# KiCad board JL_checkpoint.kicad_pcb
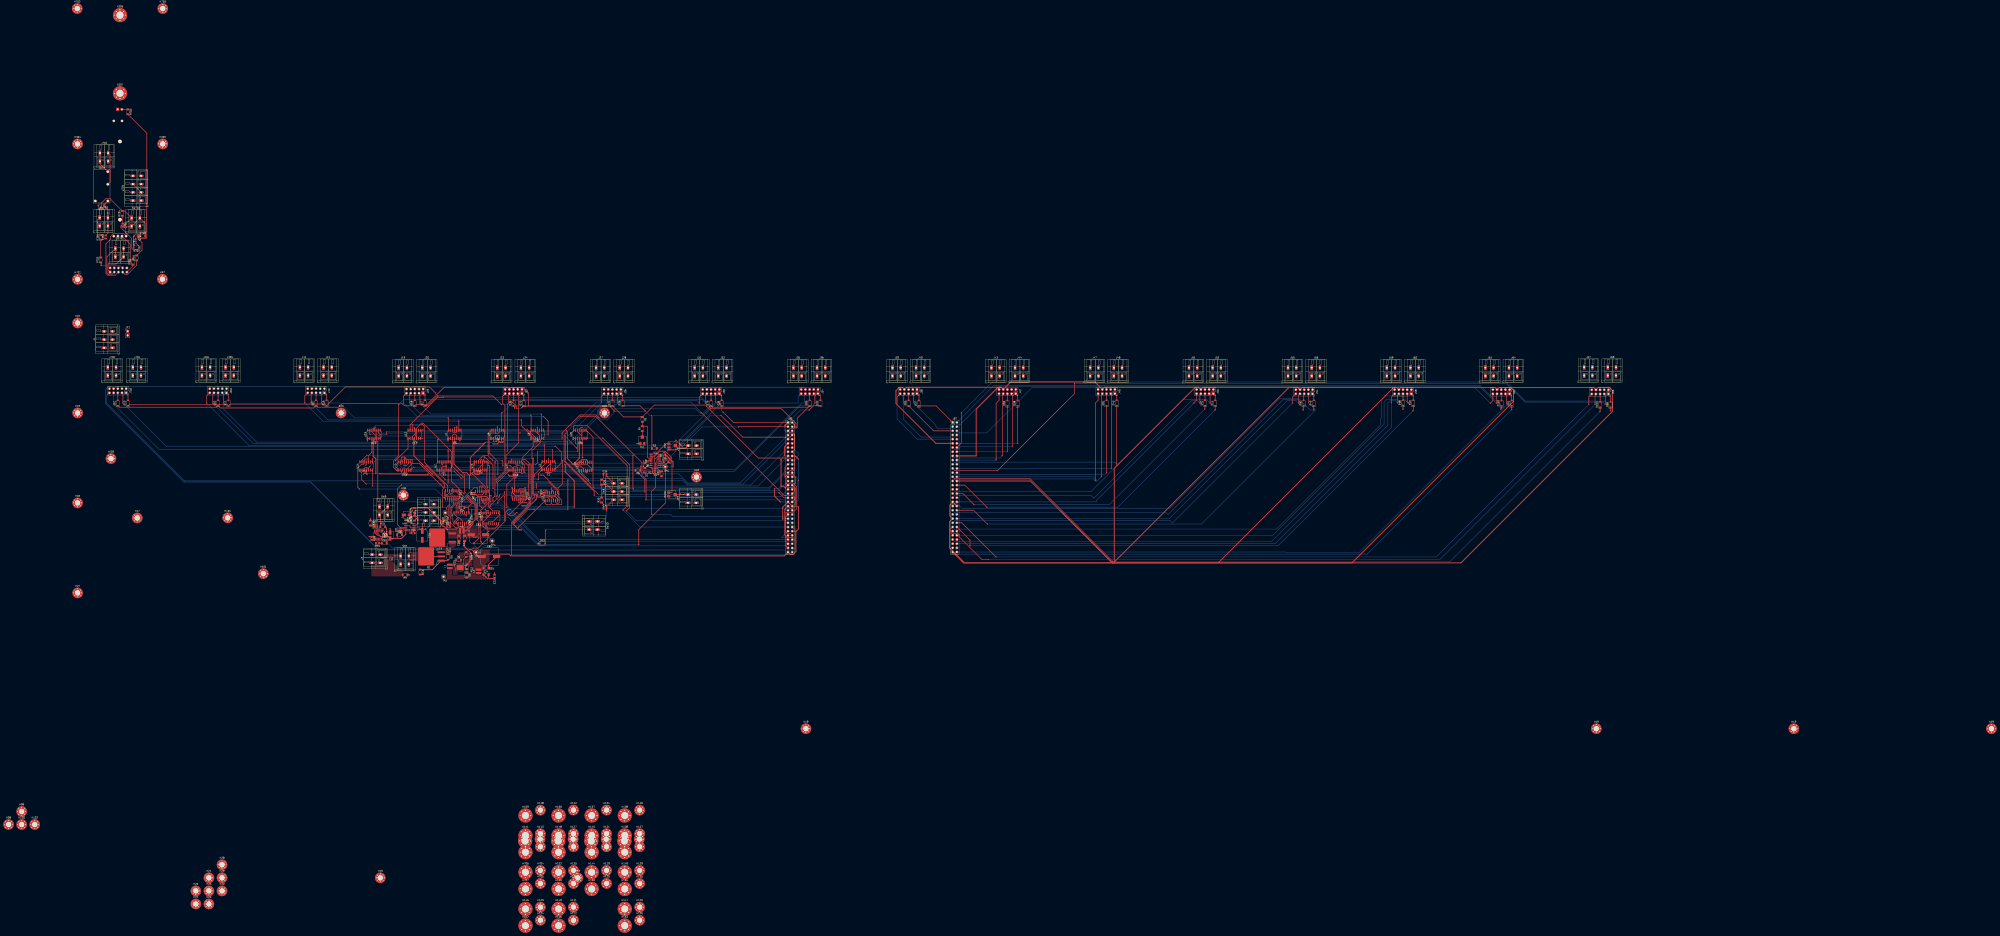
[diagram p0: board, top side]
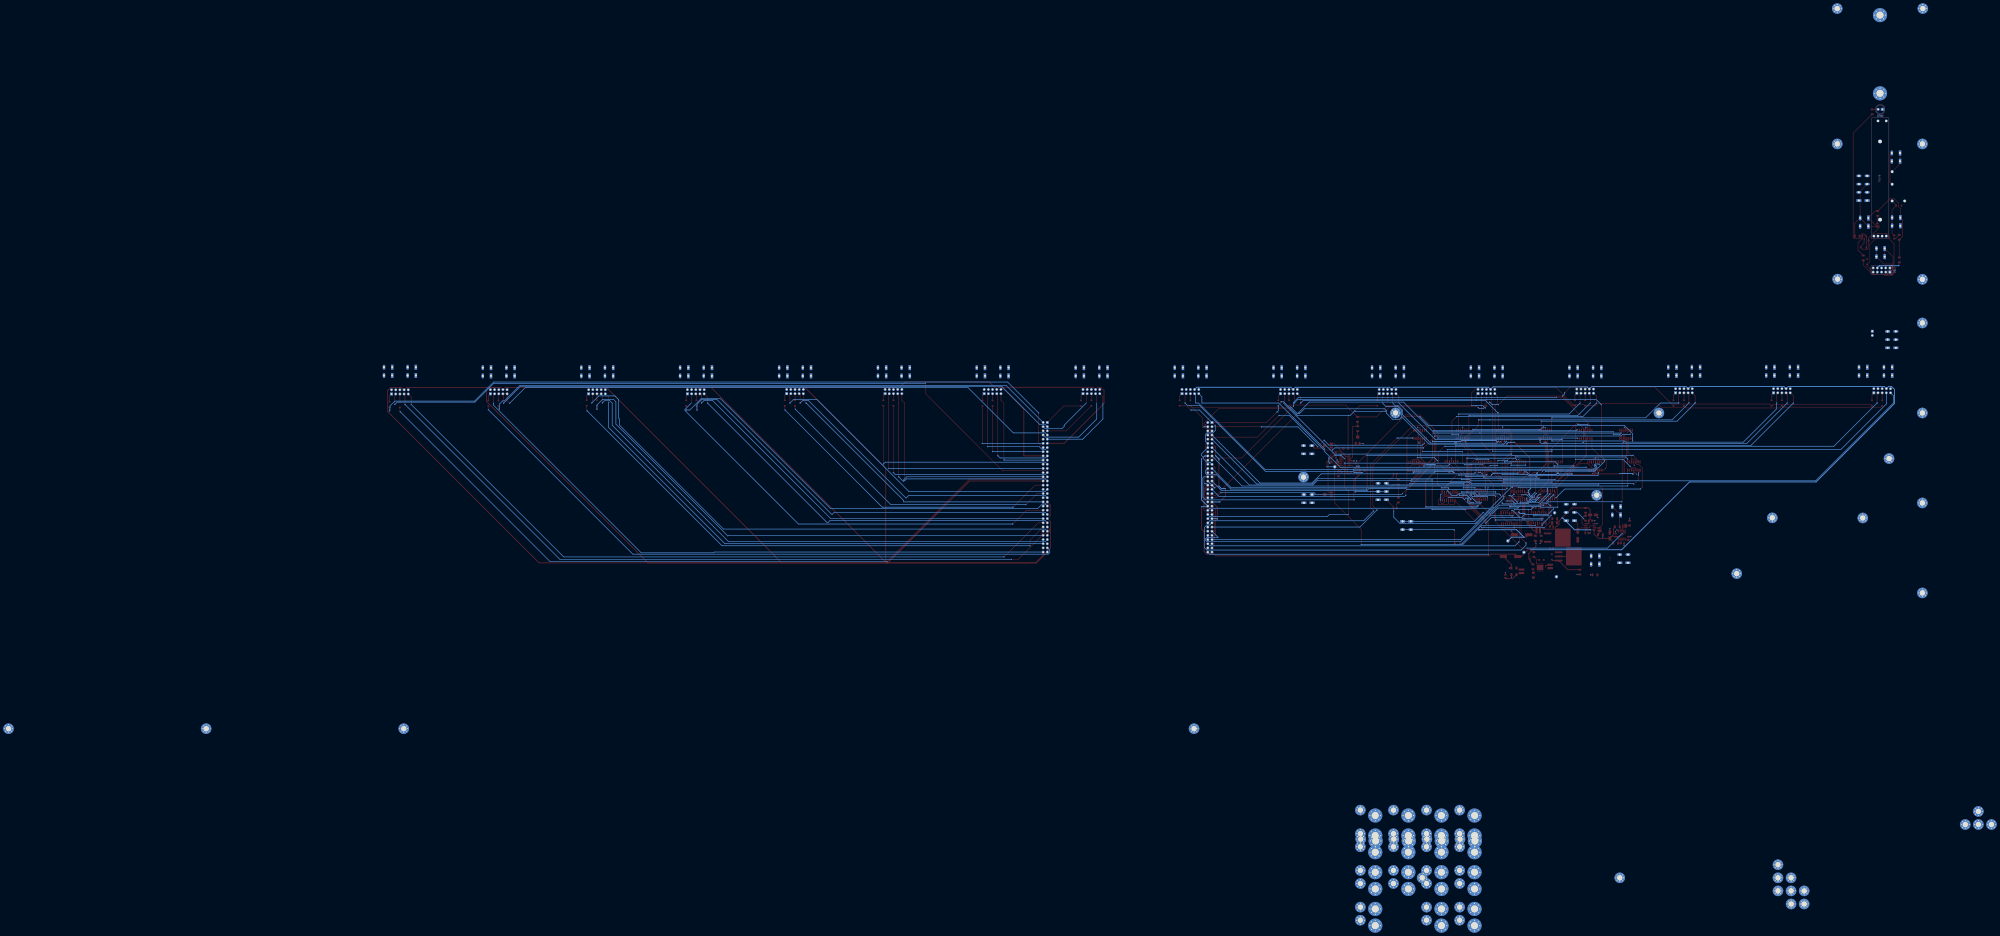
[diagram p1: board, bottom side, seen from below]

No outline. copper layers: Top, In1.Cu (plane), In2.Cu (plane), Bottom. Coordinates in mm from the lowest, leftmost part position.
Stack: Top 0.035mm / dielectric 0.2104mm FR4 er 4.5 / In1.Cu 0.0152mm / dielectric 1.065mm FR4 er 4.5 / In2.Cu 0.0152mm / dielectric 0.2104mm FR4 er 4.5 / Bottom 0.035mm

## Placement (name value [footprint] x y rotation side)
C1  0.1uF  [C_0402_1005Metric]  328 275.23 180 top
C2  0.1uF  [C_0402_1005Metric]  388.43 282.23 90 top
C3  0.1uF  [C_0402_1005Metric]  345.38 280.48 270 top
C4  0.1uF  [C_0402_1005Metric]  271.17 294.23 180 top
C5  0.1uF  [C_0402_1005Metric]  315 260.02 90 top
C6  0.1uF  [C_0402_1005Metric]  320.89 294.02 0 top
C7  0.1uF  [C_0402_1005Metric]  264.67 275 180 top
C8  0.1uF  [C_0402_1005Metric]  282.38 262.51 270 top
C9  0.1uF  [C_0402_1005Metric]  296.96 294.25 0 top
C10  0.1uF  [C_0402_1005Metric]  240.67 274.98 180 top
C11  0.1uF  [C_0402_1005Metric]  274.23 260.57 90 top
C12  0.1uF  [C_0402_1005Metric]  246.65 294.23 180 top
C13  0.1uF  [C_0402_1005Metric]  324.63 262.48 270 top
C14  0.1uF  [C_0402_1005Metric]  216.44 275 0 top
C15  0.1uF  [C_0402_1005Metric]  221.9 294.27 180 top
C16  15uF - 50V  [C_0402_1005Metric]  280.19 223.42 270 top
C17  0.1uF  [C_0402_1005Metric]  285.77 274.98 0 top
C18  0.1uF  [C_0402_1005Metric]  308.08 275.02 180 top
C19  0.33uF  [C_0805_2012Metric]  267.26 229 180 top
C20  0.1uF  [C_0402_1005Metric]  347.11 294.23 180 top
C21  10nF  [C_0402_1005Metric]  270.76 218.42 90 top
C22  0.1uF  [C_0805_2012Metric]  267.21 242.5 180 top
C23  68uF-16V  [C_0805_2012Metric]  295.19 212.25 90 top
C24  0.1uF  [C_1206_3216Metric_Pad1.33x1.80mm_HandSolder]  290 213.25 0 top
C25  0.1uF  [C_1206_3216Metric_Pad1.33x1.80mm_HandSolder]  290 217.25 0 top
C26  0.1uF  [C_1206_3216Metric_Pad1.33x1.80mm_HandSolder]  273.51 235.31 270 top
C27  0.1uF  [C_1206_3216Metric_Pad1.33x1.80mm_HandSolder]  277.01 235.31 270 top
C34  C  [C_0805_2012Metric]  245.76 238.54 0 top
C35  C_Polarized  [CP_Elec_6.3x7.7]  251.26 237.09 270 top
C36  C  [C_0805_2012Metric]  362.21 274.35 0 top
C37  C  [C_0805_2012Metric]  362.21 253.55 0 top
C38  C  [C_0805_2012Metric]  220.51 235.3 270 top
C39  C  [C_0805_2012Metric]  224.06 232.35 180 top
C82  0.1uF  [C_0805_2012Metric]  243.56 246.04 0 top
C83  C_Polarized  [CP_Elec_10x12.6]  285.36 237.5 0 top
C84  C_Polarized-1uF  [CP_Elec_4x4.5]  241.96 249.54 180 top
C85  C_Polarized  [CP_Elec_10x12.6]  292.06 224.25 0 top
C86  C_Polarized-1uF  [CP_Elec_4x4.5]  231.76 237.05 90 top
C87  0.1uF  [C_0805_2012Metric]  228.26 237.3 270 top
C88  0.1uF  [C_0402_1005Metric]  281.19 245 90 top
C89  0.1uF  [C_0402_1005Metric]  287.19 249.75 90 top
C701  C  [C_0402_1005Metric]  77.35 415.15 90 top
C702  C  [C_0805_2012Metric]  69.35 425.55 270 top
C703  C  [C_0805_2012Metric]  59 418.38 90 top
D1  D  [D_SOD-123]  387.46 275.5 180 top
D2  D  [D_SOD-123]  398.21 285.75 90 top
D3  D  [D_SOD-123]  392.76 275.66 180 top
D4  ESD5Zxx  [D_SOD-523]  231.76 222.74 270 top
D5  D_Zener-10V  [D_SOD-123]  267.01 224 270 top
D6  D_Schottky B230A  [D_SOD-123F]  273.34 222.19 0 top
D7  LED  [LED_1206_3216Metric_Pad1.42x1.75mm_HandSolder]  265.31 244.82 0 top
D8  LED  [LED_1206_3216Metric_Pad1.42x1.75mm_HandSolder]  278.19 213 270 top
D10  D  [D_SOD-123]  72.55 317.5 90 top
D11  D  [D_SOD-123]  133.55 317.5 90 top
D16  D  [D_SOD-123]  193.15 317.5 90 top
D17  D  [D_SOD-123]  252.95 317.5 90 top
D21  LED  [LED_Luminus_MP-3030-1100_3.0x3.0mm]  238.01 240.46 90 top
D22  LED  [LED_Luminus_MP-3030-1100_3.0x3.0mm]  222.76 242.85 0 top
D23  D  [D_SOD-123]  324.3 232.15 0 top
D25  D  [D_SOD-123]  312.95 317.5 90 top
D26  D  [D_SOD-123]  372.95 317.5 90 top
D31  D  [D_SOD-123]  433.15 317.5 90 top
D32  D  [D_SOD-123]  493.05 317.5 90 top
D37  D  [D_SOD-123]  552.95 317.4 90 top
D38  D  [D_SOD-123]  612.85 317.4 90 top
D43  D  [D_SOD-123]  673.05 317.5 90 top
D44  D  [D_SOD-123]  732.85 317.5 90 top
D49  D  [D_SOD-123]  792.75 317.5 90 top
D50  D  [D_SOD-123]  853.15 317.6 90 top
D55  D  [D_SOD-123]  912.95 317.4 90 top
D56  D  [D_SOD-123]  972.95 316.6 90 top
D61  D  [D_SOD-123]  66.35 317.5 90 top
D62  D  [D_SOD-123]  127.25 317.5 90 top
D67  D  [D_SOD-123]  186.75 317.5 90 top
D68  D  [D_SOD-123]  246.75 317.5 90 top
D73  D  [D_SOD-123]  306.75 317.5 90 top
D74  D  [D_SOD-123]  366.75 317.5 90 top
D79  D  [D_SOD-123]  426.65 317.5 90 top
D80  D  [D_SOD-123]  486.55 317.5 90 top
D85  D  [D_SOD-123]  546.65 317.5 90 top
D86  D  [D_SOD-123]  606.65 317.4 90 top
D91  D  [D_SOD-123]  666.85 317.5 90 top
D92  D  [D_SOD-123]  726.65 317.5 90 top
D97  D  [D_SOD-123]  786.55 317.5 90 top
D98  D  [D_SOD-123]  846.95 317.6 90 top
D103  D  [D_SOD-123]  906.75 317.4 90 top
D104  D  [D_SOD-123]  966.65 316.6 90 top
D701  D  [D_SOD-123]  75.5 403.4 90 top
D702  LED  [LED_D5.0mm]  66.27 495.95 0 bottom
D703  D  [D_SOD-123]  77.65 411.95 180 top
D704  D  [D_SOD-123]  56.25 437.43 180 top
H17  MountingHole  [MountingHole_3.2mm_M3_Pad_Via]  78.14 247.67 0 top
H18  MountingHole  [MountingHole_3.2mm_M3_Pad_Via]  239.75 261.51 0 top
H18#2  MountingHole  [MountingHole_3.2mm_M3_Pad_Via]  41.95 256.81 0 top
H18#3  MountingHole  [MountingHole_3.2mm_M3_Pad_Via]  417.81 272.53 0 top
H19  MountingHole  [MountingHole_3.2mm_M3_Pad_Via]  964.3 119.65 0 top
H19#2  MountingHole  [MountingHole_3.2mm_M3_Pad_Via]  345.75 29.05 0 top
H19#3  MountingHole  [MountingHole_3.2mm_M3_Pad_Via]  1084.3 119.65 0 top
H19#4  MountingHole  [MountingHole_3.2mm_M3_Pad_Via]  1204.3 119.65 0 top
H19#5  MountingHole  [MountingHole_3.2mm_M3_Pad_Via]  484.3 119.65 0 top
H19#6  MountingHole  [MountingHole_3.2mm_M3_Pad_Via]  225.75 29.05 0 top
H20  MountingHole  [MountingHole_3.2mm_M3_Pad_Via]  113.75 21.1 0 top
H21  MountingHole  [MountingHole_3.2mm_M3_Pad_Via]  113.75 13.15 0 top
H22  MountingHole  [MountingHole_3.2mm_M3_Pad_Via]  41.95 366.15 0 top
H23  MountingHole  [MountingHole_3.2mm_M3_Pad_Via]  41.95 311.48 0 top
H23#2  MountingHole  [MountingHole_3.2mm_M3_Pad_Via]  201.95 311.48 0 top
H23#3  MountingHole  [MountingHole_3.2mm_M3_Pad_Via]  361.95 311.48 0 top
H24  MountingHole  [MountingHole_3.2mm_M3_Pad_Via]  121.7 29.05 0 top
H25  MountingHole  [MountingHole_3.2mm_M3_Pad_Via]  121.7 21.1 0 top
H26  MountingHole  [MountingHole_3.2mm_M3_Pad_Via]  121.7 13.15 0 top
H27  MountingHole  [MountingHole_3.2mm_M3_Pad_Via]  41.95 202.15 0 top
H28  MountingHole  [MountingHole_3.2mm_M3_Pad_Via]  129.65 37 0 top
H29  MountingHole  [MountingHole_3.2mm_M3_Pad_Via]  129.65 29.05 0 top
H30  MountingHole  [MountingHole_3.2mm_M3_Pad_Via]  129.65 21.1 0 top
H97  MountingHole  [MountingHole_3.2mm_M3_Pad_Via]  93.43 392.77 0 top
H98  MountingHole  [MountingHole_3.2mm_M3_Pad_Via]  0 61.44 0 top
H99  MountingHole  [MountingHole_3.2mm_M3_Pad_Via]  7.95 69.39 0 top
H100  MountingHole  [MountingHole_3.2mm_M3_Pad_Via]  7.95 61.44 0 top
H101  MountingHole  [MountingHole_3.2mm_M3_Pad_Via]  154.7 213.85 0 top
H102  MountingHole  [MountingHole_3.2mm_M3_Pad_Via]  15.9 61.44 0 top
H103  MountingHole  [MountingHole_3.2mm_M3_Pad_Via]  62.2 283.75 0 top
H104  MountingHole  [MountingHole_3.2mm_M3_Pad_Via]  133.1 247.75 0 top
H107  MountingHole  [MountingHole_3.2mm_M3_Pad_Via]  383.29 55.85 0 top
H108  MountingHole  [MountingHole_3.2mm_M3_Pad_Via]  383.29 47.9 0 top
H111  MountingHole  [MountingHole_3.2mm_M3_Pad_Via]  343.09 11.25 0 top
H112  MountingHole  [MountingHole_3.2mm_M3_Pad_Via]  343.09 3.3 0 top
H113  MountingHole  [MountingHole_3.2mm_M3_Pad_Via]  322.99 55.85 0 top
H114  MountingHole  [MountingHole_3.2mm_M3_Pad_Via]  322.99 47.9 0 top
H115  MountingHole  [MountingHole_3.2mm_M3_Pad_Via]  383.07 52.57 0 top
H116  MountingHole  [MountingHole_3.2mm_M3_Pad_Via]  383.29 70.2 0 top
H117  MountingHole  [MountingHole_3.2mm_M3_Pad_Via]  322.77 52.57 0 top
H118  MountingHole  [MountingHole_3.2mm_M3_Pad_Via]  322.99 70.2 0 top
H119  MountingHole  [MountingHole_3.2mm_M3_Pad_Via]  363.19 33.55 0 top
H120  MountingHole  [MountingHole_3.2mm_M3_Pad_Via]  363.19 25.6 0 top
H121  MountingHole  [MountingHole_3.2mm_M3_Pad_Via]  363.19 55.85 0 top
H122  MountingHole  [MountingHole_3.2mm_M3_Pad_Via]  363.19 47.9 0 top
H123  MountingHole  [MountingHole_3.2mm_M3_Pad_Via]  322.99 11.25 0 top
H124  MountingHole  [MountingHole_3.2mm_M3_Pad_Via]  322.99 3.3 0 top
H125  MountingHole  [MountingHole_3.2mm_M3_Pad_Via]  383.29 11.25 0 top
H126  MountingHole  [MountingHole_3.2mm_M3_Pad_Via]  383.29 3.3 0 top
H127  MountingHole  [MountingHole_3.2mm_M3_Pad_Via]  343.09 55.85 0 top
H128  MountingHole  [MountingHole_3.2mm_M3_Pad_Via]  343.09 47.9 0 top
H129  MountingHole  [MountingHole_3.2mm_M3_Pad_Via]  383.29 33.55 0 top
H130  MountingHole  [MountingHole_3.2mm_M3_Pad_Via]  383.29 25.6 0 top
H131  MountingHole  [MountingHole_3.2mm_M3_Pad_Via]  342.87 52.57 0 top
H132  MountingHole  [MountingHole_3.2mm_M3_Pad_Via]  343.09 70.2 0 top
H133  MountingHole  [MountingHole_3.2mm_M3_Pad_Via]  362.97 52.57 0 top
H134  MountingHole  [MountingHole_3.2mm_M3_Pad_Via]  363.19 70.2 0 top
H135  MountingHole  [MountingHole_3.2mm_M3_Pad_Via]  343.09 33.55 0 top
H136  MountingHole  [MountingHole_3.2mm_M3_Pad_Via]  343.09 25.6 0 top
H138  MountingHole  [MountingHole_4.3mm_M4_Pad_Via]  374.24 54.75 0 top
H140  MountingHole  [MountingHole_4.3mm_M4_Pad_Via]  334.04 10.15 0 top
H141  MountingHole  [MountingHole_4.3mm_M4_Pad_Via]  313.94 54.75 0 top
H142  MountingHole  [MountingHole_4.3mm_M4_Pad_Via]  374.02 51.47 0 top
H143  MountingHole  [MountingHole_4.3mm_M4_Pad_Via]  313.72 51.47 0 top
H144  MountingHole  [MountingHole_4.3mm_M4_Pad_Via]  354.14 32.45 0 top
H145  MountingHole  [MountingHole_4.3mm_M4_Pad_Via]  354.14 54.75 0 top
H146  MountingHole  [MountingHole_4.3mm_M4_Pad_Via]  313.94 10.15 0 top
H147  MountingHole  [MountingHole_4.3mm_M4_Pad_Via]  374.24 10.15 0 top
H148  MountingHole  [MountingHole_4.3mm_M4_Pad_Via]  334.04 54.75 0 top
H149  MountingHole  [MountingHole_4.3mm_M4_Pad_Via]  374.24 32.45 0 top
H150  MountingHole  [MountingHole_4.3mm_M4_Pad_Via]  333.82 51.47 0 top
H151  MountingHole  [MountingHole_4.3mm_M4_Pad_Via]  353.92 51.47 0 top
H152  MountingHole  [MountingHole_4.3mm_M4_Pad_Via]  334.04 32.45 0 top
H154  MountingHole  [MountingHole_4.3mm_M4_Pad_Via]  374.24 44.6 0 top
H156  MountingHole  [MountingHole_4.3mm_M4_Pad_Via]  334.04 0 0 top
H157  MountingHole  [MountingHole_4.3mm_M4_Pad_Via]  313.94 44.6 0 top
H158  MountingHole  [MountingHole_4.3mm_M4_Pad_Via]  374.24 66.9 0 top
H159  MountingHole  [MountingHole_4.3mm_M4_Pad_Via]  313.94 66.9 0 top
H160  MountingHole  [MountingHole_4.3mm_M4_Pad_Via]  354.14 22.3 0 top
H161  MountingHole  [MountingHole_4.3mm_M4_Pad_Via]  354.14 44.6 0 top
H162  MountingHole  [MountingHole_4.3mm_M4_Pad_Via]  313.94 0 0 top
H163  MountingHole  [MountingHole_4.3mm_M4_Pad_Via]  374.24 0 0 top
H164  MountingHole  [MountingHole_4.3mm_M4_Pad_Via]  334.04 44.6 0 top
H165  MountingHole  [MountingHole_4.3mm_M4_Pad_Via]  374.24 22.3 0 top
H166  MountingHole  [MountingHole_4.3mm_M4_Pad_Via]  334.04 66.9 0 top
H167  MountingHole  [MountingHole_4.3mm_M4_Pad_Via]  354.14 66.9 0 top
H168  MountingHole  [MountingHole_4.3mm_M4_Pad_Via]  334.04 22.3 0 top
H304  MountingHole  [MountingHole_3.2mm_M3_Pad_Via]  41.93 474.93 0 top
H305  MountingHole  [MountingHole_3.2mm_M3_Pad_Via]  93.62 474.93 0 top
H306  MountingHole  [MountingHole_4.3mm_M4_Pad_Via]  67.68 553.17 0 top
H307  MountingHole  [MountingHole_4.3mm_M4_Pad_Via]  67.68 505.68 0 top
H701  MountingHole  [MountingHole_3.2mm_M3_Pad_Via]  41.93 392.68 0 top
H702  MountingHole  [MountingHole_3.2mm_M3_Pad_Via]  41.68 557.17 0 top
H703  MountingHole  [MountingHole_3.2mm_M3_Pad_Via]  93.68 557.17 0 top
H704  MountingHole  [MountingHole_3.2mm_M3_Pad_Via]  322.99 33.55 0 top
H705  MountingHole  [MountingHole_3.2mm_M3_Pad_Via]  322.99 25.6 0 top
H706  MountingHole  [MountingHole_4.3mm_M4_Pad_Via]  313.94 32.45 0 top
H707  MountingHole  [MountingHole_4.3mm_M4_Pad_Via]  313.94 22.3 0 top
J1  AudioJack2  [TerminalBlock_WAGO_236-402_1x02_P5.00mm_45Degree]  412.76 286.65 90 top
J3  Screw_Terminal_01x02  [TerminalBlock_WAGO_236-402_1x02_P5.00mm_45Degree]  220.76 220.45 90 top
J4  Screw_Terminal_01x03  [TerminalBlock_WAGO_236-403_1x03_P5.00mm_45Degree]  58.05 351.05 90 top
J10  Conn_01x10  [PinSocket_2x05_P2.54mm_Vertical]  191.85 323.71 270 top
J11  Screw_Terminal_01x02  [TerminalBlock_WAGO_236-402_1x02_P5.00mm_45Degree]  176.94 339.25 0 top
J12  Screw_Terminal_01x02  [TerminalBlock_WAGO_236-402_1x02_P5.00mm_45Degree]  191.29 339.25 0 top
J18  Conn_01x10  [PinSocket_2x05_P2.54mm_Vertical]  251.85 323.46 270 top
J19  Screw_Terminal_01x02  [TerminalBlock_WAGO_236-402_1x02_P5.00mm_45Degree]  236.94 339 0 top
J20  Screw_Terminal_01x02  [TerminalBlock_WAGO_236-402_1x02_P5.00mm_45Degree]  251.29 339 0 top
J22  Conn_01x10  [PinSocket_2x05_P2.54mm_Vertical]  311.8 323.25 270 top
J23  Screw_Terminal_01x02  [TerminalBlock_WAGO_236-402_1x02_P5.00mm_45Degree]  296.84 339 0 top
J24  Screw_Terminal_01x02  [TerminalBlock_WAGO_236-402_1x02_P5.00mm_45Degree]  311.19 339 0 top
J26  Conn_01x10  [PinSocket_2x05_P2.54mm_Vertical]  371.85 323.21 270 top
J27  Screw_Terminal_01x02  [TerminalBlock_WAGO_236-402_1x02_P5.00mm_45Degree]  356.84 339 0 top
J28  Screw_Terminal_01x02  [TerminalBlock_WAGO_236-402_1x02_P5.00mm_45Degree]  371.19 339 0 top
J30  Conn_01x10  [PinSocket_2x05_P2.54mm_Vertical]  431.74 323.21 270 top
J31  Screw_Terminal_01x02  [TerminalBlock_WAGO_236-402_1x02_P5.00mm_45Degree]  416.69 339 0 top
J32  Screw_Terminal_01x02  [TerminalBlock_WAGO_236-402_1x02_P5.00mm_45Degree]  431.04 339 0 top
J34  Conn_01x10  [PinSocket_2x05_P2.54mm_Vertical]  491.6 323.21 270 top
J35  Screw_Terminal_01x02  [TerminalBlock_WAGO_236-402_1x02_P5.00mm_45Degree]  476.69 339 0 top
J36  Screw_Terminal_01x02  [TerminalBlock_WAGO_236-402_1x02_P5.00mm_45Degree]  491.04 339 0 top
J38  Conn_01x10  [PinSocket_2x05_P2.54mm_Vertical]  551.74 323.21 270 top
J39  Screw_Terminal_01x02  [TerminalBlock_WAGO_236-402_1x02_P5.00mm_45Degree]  536.84 339 0 top
J40  Screw_Terminal_01x02  [TerminalBlock_WAGO_236-402_1x02_P5.00mm_45Degree]  551.19 339 0 top
J42  Conn_01x10  [PinSocket_2x05_P2.54mm_Vertical]  611.74 323.21 270 top
J43  Screw_Terminal_01x02  [TerminalBlock_WAGO_236-402_1x02_P5.00mm_45Degree]  596.94 339 0 top
J44  Screw_Terminal_01x02  [TerminalBlock_WAGO_236-402_1x02_P5.00mm_45Degree]  611.29 339 0 top
J46  Conn_01x10  [PinSocket_2x05_P2.54mm_Vertical]  671.92 323.21 270 top
J47  Screw_Terminal_01x02  [TerminalBlock_WAGO_236-402_1x02_P5.00mm_45Degree]  656.94 339 0 top
J48  Screw_Terminal_01x02  [TerminalBlock_WAGO_236-402_1x02_P5.00mm_45Degree]  671.29 339 0 top
J50  Conn_01x10  [PinSocket_2x05_P2.54mm_Vertical]  731.74 323.21 270 top
J51  Screw_Terminal_01x02  [TerminalBlock_WAGO_236-402_1x02_P5.00mm_45Degree]  716.94 339 0 top
J52  Screw_Terminal_01x02  [TerminalBlock_WAGO_236-402_1x02_P5.00mm_45Degree]  731.29 339 0 top
J54  Conn_01x10  [PinSocket_2x05_P2.54mm_Vertical]  792 323.11 270 top
J55  Screw_Terminal_01x02  [TerminalBlock_WAGO_236-402_1x02_P5.00mm_45Degree]  777.09 339 0 top
J56  Screw_Terminal_01x02  [TerminalBlock_WAGO_236-402_1x02_P5.00mm_45Degree]  791.44 339 0 top
J58  Conn_01x10  [PinSocket_2x05_P2.54mm_Vertical]  852 323.11 270 top
J59  Screw_Terminal_01x02  [TerminalBlock_WAGO_236-402_1x02_P5.00mm_45Degree]  837.09 339 0 top
J60  Screw_Terminal_01x02  [TerminalBlock_WAGO_236-402_1x02_P5.00mm_45Degree]  851.44 339 0 top
J62  Conn_01x10  [PinSocket_2x05_P2.54mm_Vertical]  911.67 323.11 270 top
J63  Screw_Terminal_01x02  [TerminalBlock_WAGO_236-402_1x02_P5.00mm_45Degree]  896.94 339 0 top
J64  Screw_Terminal_01x02  [TerminalBlock_WAGO_236-402_1x02_P5.00mm_45Degree]  911.29 339 0 top
J66  Conn_01x10  [PinSocket_2x05_P2.54mm_Vertical]  971.7 323.01 270 top
J67  Screw_Terminal_01x02  [TerminalBlock_WAGO_236-402_1x02_P5.00mm_45Degree]  956.94 339.25 0 top
J68  Screw_Terminal_01x02  [TerminalBlock_WAGO_236-402_1x02_P5.00mm_45Degree]  971.29 339.25 0 top
J69  AudioJack2  [TerminalBlock_WAGO_236-402_1x02_P5.00mm_45Degree]  412.61 256.91 90 top
J85  Conn_02x32_Odd_Even  [PinHeader_2x32_P2.54mm_Vertical]  473.41 305.67 0 top
J87  Conn_02x32_Odd_Even  [PinHeader_2x32_P2.54mm_Vertical]  573.41 305.71 0 top
J302  Conn_01x10  [PinSocket_2x05_P2.54mm_Vertical]  132.35 323.71 270 top
J304  Screw_Terminal_01x02  [TerminalBlock_WAGO_236-402_1x02_P5.00mm_45Degree]  117.44 339.25 0 top
J305  Screw_Terminal_01x02  [TerminalBlock_WAGO_236-402_1x02_P5.00mm_45Degree]  131.79 339.25 0 top
J701  Conn_01x10  [PinSocket_2x05_P2.54mm_Vertical]  61.67 397.05 270 bottom
J702  Conn_01x10  [PinSocket_2x05_P2.54mm_Vertical]  71.44 323.71 270 top
J703  Screw_Terminal_01x02  [TerminalBlock_WAGO_236-402_1x02_P5.00mm_45Degree]  55.5 469.43 0 top
J704  Screw_Terminal_01x02  [TerminalBlock_WAGO_236-402_1x02_P5.00mm_45Degree]  75.44 339.25 0 top
J705  Screw_Terminal_01x02  [TerminalBlock_WAGO_236-402_1x02_P5.00mm_45Degree]  60.29 339.25 0 top
JP1  Jumper_2_Open  [PinHeader_1x02_P2.54mm_Vertical]  72.35 361.12 0 top
K701  ALQ305  [RELAY_ALQ3_PAN]  55.23 447.9 180 top
L1  4.7uH  [L_Wuerth_MAPI-3015]  268.01 218.24 270 top
L2  L  [L_Wuerth_MAPI-3015]  285.44 215.25 90 top
L3  L  [L_Wuerth_MAPI-3015]  275.26 239.88 0 top
Q1  IRF5305-Reverse-Polarity  [TO-263-3_TabPin2]  255.19 224.32 180 top
Q701  BC817  [SOT-23]  77.25 418.18 270 top
R1  R_US  [R_1206_3216Metric]  399.34 281.8 0 top
R2  0R  [R_1206_3216Metric]  385.01 307.61 270 top
R3  R_US  [R_1206_3216Metric]  392.19 289.95 0 top
R4  0R  [R_1206_3216Metric]  384.91 301.96 90 top
R5  R_US  [R_1206_3216Metric]  382.21 276.65 180 top
R6  R_US  [R_1206_3216Metric]  386.46 279.46 270 top
R7  R_US  [R_1206_3216Metric]  396.61 274.52 90 top
R9  0  [R_1206_3216Metric]  240.8 213.1 180 top
R10  100K  [R_1206_3216Metric]  250.01 214.81 270 top
R11  R_US  [R_1206_3216Metric]  277.94 225.46 90 top
R12  R_US  [R_1206_3216Metric]  265.27 247.32 180 top
R13  R_US  [R_1206_3216Metric]  278.44 218 270 top
R26  R_US  [R_1206_3216Metric]  237.51 237.54 0 top
R27  R_US  [R_1206_3216Metric]  246.51 252.32 90 top
R28  R_US  [R_1206_3216Metric]  246.51 247.5 90 top
R29  R_US  [R_1206_3216Metric]  360.21 269.4 270 top
R30  R_US  [R_1206_3216Metric]  360.21 258.55 90 top
R31  R_US  [R_1206_3216Metric]  227.26 242.35 0 top
R32  R_US  [R_1206_3216Metric]  219.76 244.6 270 top
R33  R_US  [R_1206_3216Metric]  228.22 232.35 0 top
R34  R_US  [R_1206_3216Metric]  275.38 253.99 180 top
R701  R_US  [R_1206_3216Metric]  77.85 405.69 90 top
R702  R_US  [R_1206_3216Metric]  55.93 404.46 90 top
R703  R_US  [R_1206_3216Metric]  72.45 494.45 270 top
R704  R_US  [R_1206_3216Metric]  69.05 432.75 90 top
R705  R_US  [R_1206_3216Metric]  56 418.16 90 top
R706  R_US  [R_1206_3216Metric]  81.53 418.93 0 top
RV1  R_Potentiometer_US  [Potentiometer_Bourns_3314J_Vertical]  384.91 294.86 180 top
RV2  R_Potentiometer_US  [Potentiometer_Bourns_3314J_Vertical]  403.01 291.65 90 top
RV5  R_Potentiometer_US  [TerminalBlock_WAGO_236-403_1x03_P5.00mm_45Degree]  253.26 246.04 90 top
RV20  R_Potentiometer_US  [Potentiometer_Bourns_3314J_Vertical]  402.91 261.96 90 top
RV701  R_Potentiometer_US  [POT_SEGOR_10K]  67.65 453.93 90 bottom
SW1  SW_SPST  [TerminalBlock_WAGO_236-402_1x02_P5.00mm_45Degree]  238.11 224.6 0 top
SW8  SW_SPDT  [TerminalBlock_WAGO_236-403_1x03_P5.00mm_45Degree]  367.51 258.75 90 top
SW9  SW_Push  [TerminalBlock_WAGO_236-402_1x02_P5.00mm_45Degree]  225.25 254.55 0 top
SW10  SW_SPST  [TerminalBlock_WAGO_236-402_1x02_P5.00mm_45Degree]  357.66 245.61 270 top
SW701  SW_Push  [TerminalBlock_WAGO_236-402_1x02_P5.00mm_45Degree]  64.85 411.43 0 top
SW702  SW_SPST  [TerminalBlock_WAGO_236-402_1x02_P5.00mm_45Degree]  74.75 429.93 0 top
SW703  SW_SPST  [TerminalBlock_WAGO_236-402_1x02_P5.00mm_45Degree]  55.35 430.18 0 top
TP1  TestPoint  [TestPoint_Loop_D1.80mm_Drill1.0mm_Beaded]  265.31 250.82 0 top
TP2  TestPoint  [TestPoint_Loop_D1.80mm_Drill1.0mm_Beaded]  264.19 212 0 top
TP3  TestPoint  [TestPoint_Loop_D1.80mm_Drill1.0mm_Beaded]  283.94 226.82 0 top
TP4  TestPoint  [TestPoint_Loop_D1.80mm_Drill1.0mm_Beaded]  293.69 233.75 0 top
TP5  TestPoint  [TestPoint_Loop_D1.80mm_Drill1.0mm_Beaded]  398.86 278.75 0 top
U1  TL074  [SOIC-14_3.9x8.7mm_P1.27mm]  392.71 282.21 0 top
U2  SN74HC08  [SOIC-14_3.9x8.7mm_P1.27mm]  350.44 279 90 top
U3  TL074  [SOIC-14_3.9x8.7mm_P1.27mm]  327.94 279.5 90 top
U4  TL074  [SOIC-14_3.9x8.7mm_P1.27mm]  270.94 298.5 90 top
U5  SN74HC08  [SOIC-14_3.9x8.7mm_P1.27mm]  309.94 261.5 270 top
U6  TL074  [SOIC-14_3.9x8.7mm_P1.27mm]  321.19 298.5 90 top
U7  TL074  [SOIC-14_3.9x8.7mm_P1.27mm]  264.44 279.25 90 top
U8  SN74HC08  [SOIC-14_3.9x8.7mm_P1.27mm]  287.44 261.25 90 top
U9  TL074  [SOIC-14_3.9x8.7mm_P1.27mm]  296.94 298.5 90 top
U10  TL074  [SOIC-14_3.9x8.7mm_P1.27mm]  240.44 279.25 90 top
U11  SN74HC08  [SOIC-14_3.9x8.7mm_P1.27mm]  269.19 261.75 270 top
U12  TL074  [SOIC-14_3.9x8.7mm_P1.27mm]  246.44 298.5 90 top
U13  SN74HC08  [SOIC-14_3.9x8.7mm_P1.27mm]  329.69 260.75 90 top
U14  TL074  [SOIC-14_3.9x8.7mm_P1.27mm]  217.19 279.25 90 top
U15  TL074  [SOIC-14_3.9x8.7mm_P1.27mm]  221.94 298.5 90 top
U16  TL074  [SOIC-14_3.9x8.7mm_P1.27mm]  286.69 279.25 90 top
U17  TL074  [SOIC-14_3.9x8.7mm_P1.27mm]  307.69 279.25 90 top
U19  L7806  [TO-263-2]  261.89 235.75 180 top
U20  TL074  [SOIC-14_3.9x8.7mm_P1.27mm]  346.94 298.5 90 top
U23  LMC555xM  [SOIC-8_3.9x4.9mm_P1.27mm]  243.76 242.29 0 top
U24  LMC555xM  [SOIC-8_3.9x4.9mm_P1.27mm]  224.36 237.32 270 top
U25  4017  [SOP-16_4.55x10.3mm_P1.27mm]  275.01 247.75 270 top
U26  4017  [SOP-16_4.55x10.3mm_P1.27mm]  293.19 247.5 90 top
U41  LM2675-5-WSON-16  [WSON-16-1EP_5.0x5.0mm_P0.5mm_EP2.6x2.6mm]  273.84 217.6 90 top
U701  AQ-A_Solid_State_Relay  [TerminalBlock_WAGO_236-404_1x04_P5.00mm_45Degree]  75.5 440.52 90 top